# KiCad board DCTransistor.kicad_pcb (continued)
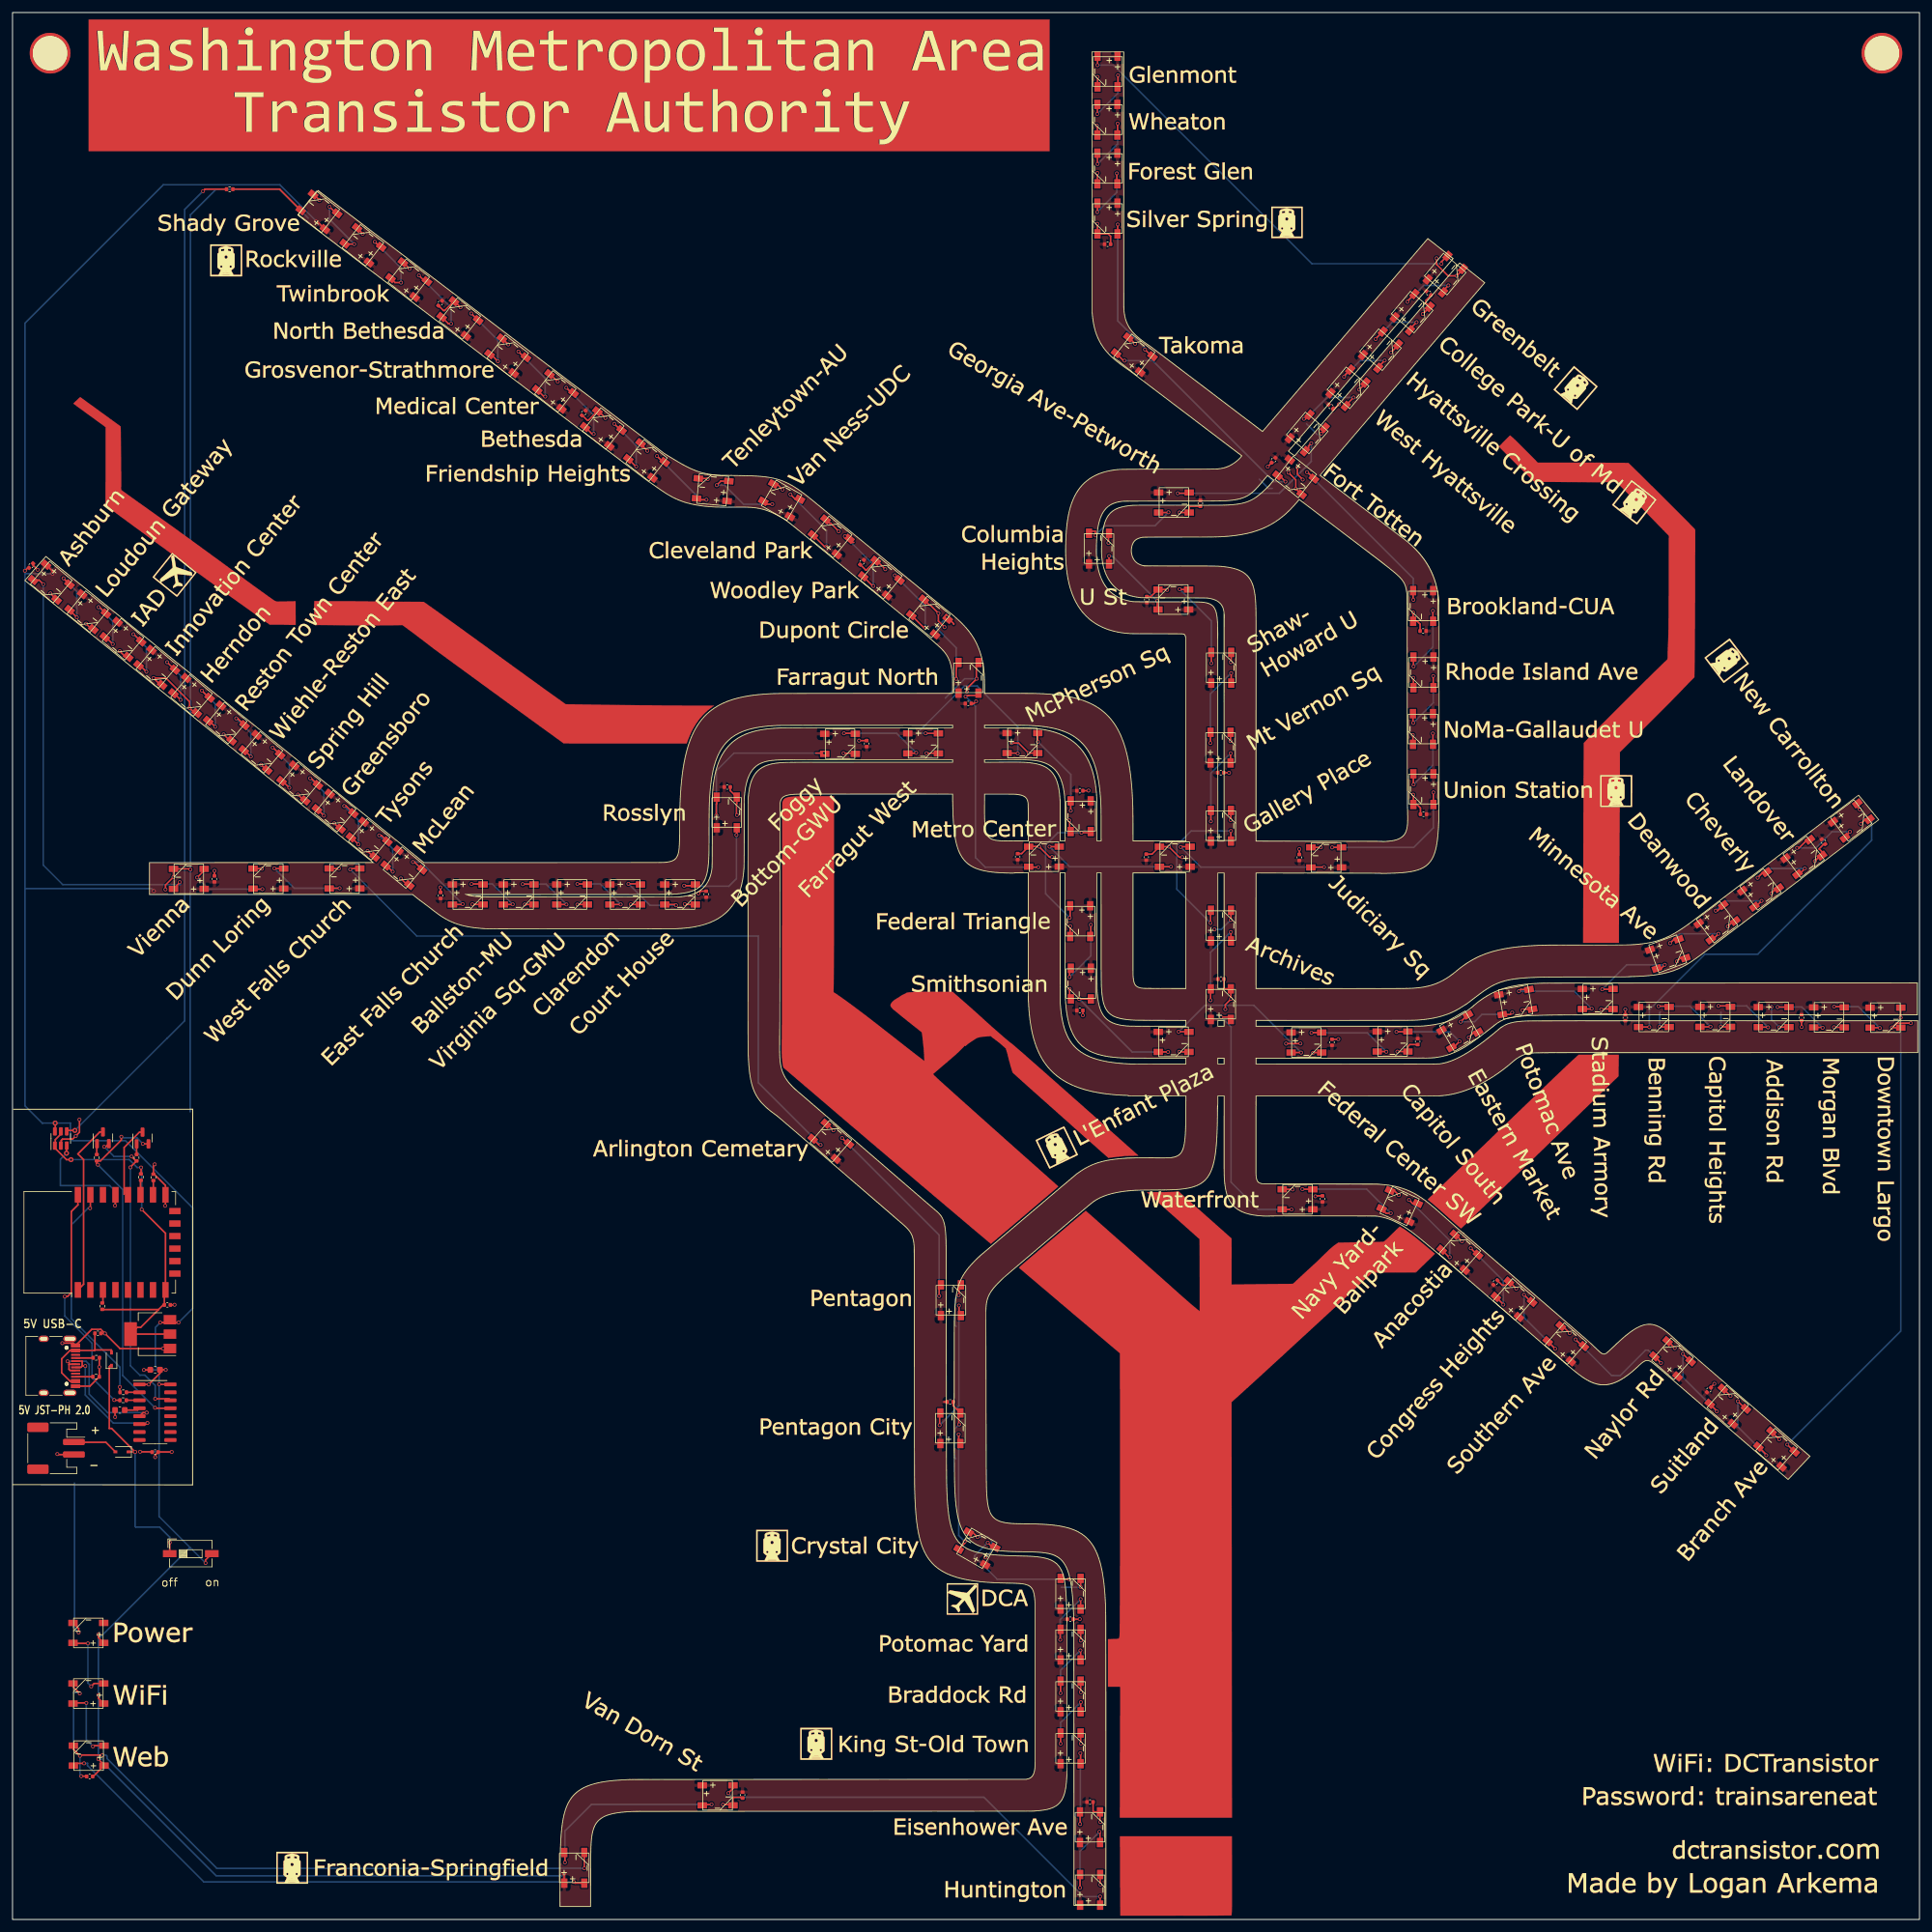
[diagram p0: board, top side]
## Routing (per net, layer and track width the routed paths; a pad name or vN(x,y) marks a point on that pad's centre or on a via; arc(x,y) is an arc through that point) (continued)
Net-(D100-Pad4): length 15
  Top w0.25: D100.4 170.64,17.18 v1(170.64,15.25) ; v1(170.68,26.57) 170.72,26.53 D99.2
  Bottom w0.25: v1(170.68,26.57) 170.68,15.29 v1(170.64,15.25)
Net-(D101-Pad2): length 69.3
  Top w0.25: D101.2 v1(173.84,3.66) ; v1(114.4,20.19) 115.15,20.94 115.15,21.56
  Bottom w0.25: v1(173.84,3.66) 171.15,3.66 155.27,19.54 115.05,19.54 v1(114.4,20.19)
Net-(D102-Pad2): length 33.4
  Top w0.25: D103.4 88.29,10.61 v1(88.29,9.12) ; v1(111.73,18.4) 111.69,18.36 110.25,18.36
  Bottom w0.25: v1(111.73,18.4) 92.55,18.4 88.29,14.14 v1(88.29,9.12)
Net-(D103-Pad2): length 90
  Top w0.25: D103.2 89.92,5.81 v1(89.73,6) ; D104.4 10.09,24.96 v1(11.43,24.96)
  Bottom w0.25: v1(11.43,24.96) 11.99,24.96 11.99,24.59 30.58,6 v1(89.73,6)
Net-(D104-Pad2): length 11.4
  Top w0.25: D104.2 12.98,27.79 v1(12.86,27.67) ; v1(11.8,34.62) 9.77,34.62 D105.4
  Bottom w0.25: v1(11.8,34.62) 11.8,28.73 v1(12.86,27.67)
Net-(D105-Pad2): length 11.7
  Top w0.25: D105.2 13.04,37.72 v1(12.58,37.26) ; v1(12.05,44.13) 9.74,44.13 D106.4
  Bottom w0.25: v1(12.05,44.13) 12.05,37.79 v1(12.58,37.26)
Net-(J0-PadA5): length 2.8
  Top w0.25: R0.2 12.85,89.75 J0.A5
Net-(J0-PadA6): length 23.9
  Top w0.25: 9.06,88.75 9.04,88.72 9.04,87.93 9.22,87.75 J0.B6 ; 9.06,88.75 9.06,88.95 v1(8.79,89.22) ; 9.06,88.75 J0.A6 ; v1(21.45,81.01) 20.85,81.01 U0.5
  Bottom w0.25: v1(8.79,89.22) 11.75,89.22 12.26,88.71 12.26,83.96 15.21,81.01 v1(21.45,81.01) 21.37,80.93
Net-(J0-PadA7): length 21.3
  Top w0.25: J0.A7 10.92,88.25 11.13,88.46 ; 11.13,88.46 11.13,89.22 11.11,89.25 J0.B7 ; 11.13,88.46 v1(11.63,88.46) ; v1(21.57,79.36) 21.39,79.18 U0.6
  Bottom w0.25: v1(11.63,88.46) 11.63,83.83 16.1,79.36 v1(21.57,79.36) 21.55,79.38
Net-(J0-PadB5): length 2.8
  Top w0.25: J0.B5 R3.2
Net-(Q0-Pad1): length 1.7
  Top w0.25: Q0.1 13.47,123.97 R4.2
Net-(Q0-Pad2): length 50.1
  Top w0.25: U0.14 24.99,83.23 v1(22.81,83.23) ; v1(19.04,121.95) 19.74,121.25 R5.1 18.84,120.26 v1(18.84,120.21) ; v1(14.66,123.51) 14.91,123.51 Q0.2
  Bottom w0.25: v1(19.04,121.95) 16.22,121.95 v1(14.66,123.51) ; v1(18.84,120.21) 18.84,88.52 20.36,87 21.16,87 22.81,85.36 v1(22.81,83.23)
Net-(Q1-Pad1): length 1.7
  Top w0.25: R5.2 Q1.1
Net-(Q1-Pad2): length 56.5
  Top w0.25: v1(22.78,81.79) 22.86,81.72 U0.13 ; v1(17.39,125.11) 17.39,124.58 14.06,121.25 R4.1 13.47,120.82 v1(13.65,120.64) ; v1(20.83,123.98) 20.84,123.97 Q1.2
  Bottom w0.25: v1(17.39,125.11) 17.39,124.93 19.88,124.93 v1(20.83,123.98) ; v1(13.65,120.64) 17.61,116.68 17.61,86.96 v1(22.78,81.79)
Net-(R1-Pad1): length 2.1
  Top w0.25: U0.2 20.28,84.26 R1.1
Net-(R2-Pad1): length 2.1
  Top w0.25: U0.3 20.28,82.99 R2.1
Net-(R6-Pad2): length 1.7
  Top w0.25: 14.31,98.5 R6.2 14.45,98.64 14.45,100.11
Net-(R7-Pad1): length 2.3
  Top w0.25: 20.46,115.92 20.46,118.18
Net-(R8-Pad2): length 163.7
  Top w0.25: 34.1,276.56 30.76,276.56 v1(30.45,276.25) ; v2(9.97,126.12) 8.86,126.12 8.74,126
  Bottom w0.25: v1(30.45,276.25) 27.52,273.32 27.52,143.65 24.75,140.88 24.73,140.88 v2(9.97,126.12)
Net-(R9-Pad1): length 2.2
  Top w0.25: 22.51,115.95 22.51,118.18

## Copper pours and planes (outline as drawn; the poured copper is in the pictures)
+5V on Top: outline of 3380 points within 2.04,2.12 304.49,298.48
GND on Bottom: 2.1,129.48 2.13,129.46 4.58,127.01 4.63,126.98 4.91,126.97 6.25,126.97 6.32,126.95 6.35,126.92 6.39,126.87 6.52,126.77 6.66,126.71 6.82,126.69 6.98,126.71 7.12,126.77 7.25,126.87 7.29,126.92 7.35,126.96 7.39,126.97 8.79,126.97 8.86,126.95 8.91,126.9 8.92,126.85 8.92,124.96 8.92,124.91 8.93,124.83 9.03,124.69 9.23,124.5 9.26,124.43 9.26,124.42 9.3,124.32 9.37,124.23 9.47,124.17 9.56,124.16 9.61,124.16 9.64,124.15 9.69,124.14 9.83,124.16 14.31,124.16 14.38,124.14 14.43,124.08 14.44,124.01 14.41,123.95 14.38,123.92 14.33,123.9 14.24,123.79 14.18,123.66 14.15,123.52 14.17,123.37 14.23,123.24 14.32,123.13 14.44,123.05 14.58,123.01 14.65,123.01 14.72,122.99 14.74,122.97 15.71,122 15.74,121.94 15.74,121.87 15.69,121.81 15.63,121.79 15.62,121.79 9.91,121.79 9.84,121.81 9.81,121.84 9.65,121.97 9.51,122.03 9.35,122.05 9.31,122.05 9.24,122.06 9.18,122.11 9.16,122.17 9.17,122.22 9.22,122.32 9.24,122.48 9.22,122.63 9.15,122.78 9.06,122.91 8.93,123 8.79,123.06 8.63,123.08 8.47,123.06 8.33,123 8.2,122.91 8.11,122.78 8.04,122.63 8.02,122.48 8.02,122.34 8,122.31 7.44,121.75 7.36,121.65 7.35,121.62 7.33,121.54 7.33,121.49 7.33,117.24 7.35,117.19 7.6,116.97 15.35,116.97 15.41,116.95 15.44,116.94 16.01,116.37 16.04,116.3 16.04,116.28 16.04,114.54 16.02,114.47 16.01,114.45 15.95,114.38 15.89,114.25 15.88,113.96 16.03,113.72 16.15,113.64 16.29,113.6 16.43,113.6 16.57,113.64 16.69,113.71 16.79,113.82 16.85,113.95 16.88,114.09 16.88,114.1 16.86,114.24 16.8,114.37 16.73,114.45 16.7,114.52 16.7,114.54 16.7,116.44 16.7,116.49 16.68,116.58 16.67,116.6 16.62,116.68 16.59,116.71 15.78,117.52 15.67,117.6 15.65,117.61 15.56,117.63 15.51,117.63 8.11,117.63 8.04,117.65 8,117.7 7.99,117.75 7.99,121.32 8.01,121.39 8.02,121.41 8.46,121.84 8.52,121.88 8.56,121.88 8.61,121.87 8.68,121.85 8.72,121.79 8.72,121.72 8.69,121.67 8.66,121.63 8.62,121.52 8.62,121.4 8.66,121.3 8.73,121.21 8.79,121.18 8.83,121.14 8.92,121.02 9.05,120.92 9.19,120.86 9.35,120.84 9.51,120.86 9.65,120.92 9.78,121.02 9.83,121.09 9.89,121.13 9.93,121.14 13.14,121.14 13.21,121.12 13.26,121.06 13.27,120.99 13.23,120.92 13.17,120.79 13.16,120.5 13.31,120.26 13.43,120.18 13.57,120.14 13.64,120.14 13.71,120.12 13.73,120.1 17.25,116.58 17.28,116.52 17.28,116.49 17.28,88.92 17.26,88.86 17.21,88.81 17.14,88.8 17.08,88.83 17.07,88.84 9.77,96.13 9.74,96.19 9.74,96.22 9.74,110.85 9.76,110.92 9.77,110.94 12.04,113.21 12.1,113.24 12.32,113.19 12.46,113.19 12.6,113.23 12.72,113.3 12.82,113.41 12.88,113.54 12.91,113.68 12.91,113.69 12.83,113.96 12.73,114.07 12.61,114.15 12.47,114.19 12.33,114.19 12.19,114.15 12.07,114.08 12.05,114.05 11.99,114.01 11.92,113.99 11.82,113.91 9.37,111.46 9.3,111.42 9.23,111.43 9.18,111.47 9.15,111.54 9.15,111.54 9.15,116.35 1.83,116.35 1.83,100.11 7.88,100.11 7.95,100.09 7.99,100.04 8,99.97 7.97,99.9 7.93,99.85 7.87,99.72 7.86,99.43 7.99,99.21 8.02,99.15 8.02,99.13 8.02,96.48 8.02,96.43 8.04,96.35 8.13,96.21 12.35,92 12.38,91.94 12.38,91.91 12.38,89.35 12.36,89.29 12.31,89.24 12.24,89.23 12.18,89.26 12,89.44 11.97,89.47 11.87,89.53 11.78,89.55 11.73,89.55 9.23,89.55 9.16,89.57 9.12,89.6 9,89.68 8.86,89.72 8.72,89.72 8.58,89.68 8.46,89.61 8.37,89.5 8.31,89.37 8.3,89.08 8.36,88.95 8.57,88.76 8.71,88.72 8.85,88.72 8.99,88.76 9.19,88.89 9.23,88.89 11.08,88.89 11.15,88.87 11.2,88.82 11.21,88.75 11.2,88.71 11.15,88.61 11.14,88.32 11.2,88.19 11.27,88.1 11.3,88.04 11.3,88.02 11.3,83.85 11.3,83.8 11.32,83.72 11.41,83.59 15.86,79.14 15.89,79.11 15.96,79.06 15.99,79.05 16.07,79.03 16.12,79.03 21.13,79.03 21.2,79.01 21.23,78.98 21.35,78.9 21.49,78.86 21.63,78.86 21.77,78.9 21.89,78.97 21.99,79.08 22.05,79.21 22.08,79.35 22.08,79.36 22.06,79.5 22,79.63 21.9,79.74 21.78,79.82 21.64,79.86 21.5,79.86 21.36,79.82 21.24,79.75 21.23,79.73 21.17,79.69 21.13,79.69 16.29,79.69 16.22,79.71 16.2,79.72 15.45,80.47 15.42,80.53 15.42,80.6 15.46,80.66 15.53,80.69 15.54,80.69 21.01,80.69 21.08,80.67 21.11,80.63 21.23,80.56 21.37,80.51 21.51,80.51 21.65,80.55 21.77,80.62 21.87,80.73 21.93,80.86 21.96,81 21.96,81.01 21.94,81.15 21.88,81.28 21.78,81.39 21.66,81.47 21.52,81.51 21.38,81.51 21.24,81.47 21.12,81.4 21.11,81.38 21.05,81.34 21.01,81.34 15.4,81.34 15.33,81.36 15.31,81.37 12.62,84.06 12.59,84.12 12.59,84.15 12.59,85.94 12.61,86.01 12.66,86.05 12.73,86.06 12.79,86.04 12.8,86.03 15.72,83.11 15.75,83.05 15.77,82.89 15.83,82.76 15.92,82.65 16.04,82.57 16.18,82.53 16.32,82.53 16.46,82.57 16.58,82.64 16.68,82.75 16.74,82.88 16.77,83.02 16.77,83.03 16.69,83.3 16.59,83.41 16.47,83.49 16.33,83.53 16.27,83.53 16.2,83.55 16.18,83.57 13.07,86.68 13.04,86.74 13.04,86.77 13.04,91.64 13.06,91.71 13.11,91.76 13.18,91.77 13.24,91.74 13.25,91.73 16.8,88.19 16.83,88.12 16.83,88.1 16.83,85.55 16.81,85.48 16.74,85.39 16.68,85.26 16.67,84.97 16.73,84.84 16.82,84.73 16.94,84.65 17.08,84.61 17.22,84.61 17.36,84.65 17.48,84.72 17.58,84.83 17.64,84.96 17.67,85.1 17.67,85.11 17.59,85.38 17.52,85.46 17.49,85.53 17.49,85.55 17.49,86.32 17.51,86.39 17.56,86.43 17.63,86.44 17.69,86.42 17.7,86.41 22.24,81.87 22.27,81.81 22.29,81.65 22.35,81.52 22.44,81.41 22.56,81.33 22.7,81.29 22.84,81.29 22.95,81.32 23.02,81.31 23.08,81.28 23.1,81.21 23.1,81.19 23.1,75.21 23.08,75.14 23.03,75.1 22.98,75.09 21.31,75.09 21.23,75.09 20.83,75.09 20.76,75.11 20.72,75.14 20.6,75.22 20.46,75.26 20.32,75.26 20.18,75.22 20.06,75.14 19.99,75.11 19.92,75.12 19.91,75.13 19.8,75.2 19.66,75.24 19.52,75.24 19.38,75.2 19.26,75.13 19.17,75.02 19.11,74.89 19.1,74.6 19.16,74.47 19.23,74.38 19.26,74.32 19.26,74.3 19.26,69.64 19.24,69.57 19.19,69.52 19.14,69.51 1.64,69.49 1.57,69.51 1.52,69.57 1.51,69.62 1.5,83.91 3.72,83.91 3.75,83.81 3.75,83.8 3.84,83.63 3.85,83.62 3.96,83.48 3.97,83.47 4.11,83.35 4.12,83.34 4.29,83.25 4.3,83.25 4.47,83.19 4.49,83.19 4.72,83.17 4.74,83.19 5.24,83.19 5.26,83.17 5.48,83.19 5.49,83.19 5.67,83.24 5.68,83.25 5.85,83.33 5.86,83.34 6,83.46 6.01,83.47 6.13,83.61 6.13,83.62 6.22,83.78 6.23,83.79 6.26,83.91 6.26,83.91 7.65,83.91 7.68,83.81 7.68,83.8 7.77,83.63 7.78,83.62 7.89,83.48 7.9,83.47 8.04,83.35 8.05,83.34 8.22,83.25 8.23,83.25 8.4,83.19 8.42,83.19 8.57,83.17 8.9,83.17 8.92,83.19 9.42,83.19 9.44,83.17 9.91,83.19 9.92,83.19 10.1,83.24 10.11,83.25 10.28,83.33 10.29,83.34 10.43,83.46 10.44,83.47 10.56,83.61 10.56,83.62 10.65,83.78 10.66,83.79 10.69,83.91 10.68,83.93 9.44,83.93 9.42,83.91 9.42,83.19 8.92,83.19 8.92,83.91 8.9,83.93 7.66,83.93 7.65,83.92 7.65,83.91 6.26,83.91 6.25,83.93 5.26,83.93 5.24,83.91 5.24,83.19 4.74,83.19 4.74,83.91 4.72,83.93 3.73,83.93 3.72,83.92 3.72,83.91 1.5,83.91 1.5,84.44 3.72,84.44 3.73,84.43 4.72,84.43 4.74,84.45 5.24,84.45 5.26,84.43 6.25,84.43 6.26,84.44 7.65,84.44 7.66,84.43 10.68,84.43 10.69,84.44 10.69,84.45 10.66,84.55 10.66,84.56 10.57,84.73 10.56,84.74 10.45,84.88 10.44,84.89 10.3,85.01 10.29,85.02 10.12,85.11 10.11,85.11 9.94,85.17 9.92,85.17 9.77,85.19 9.28,85.19 9.21,85.21 9.16,85.26 9.15,85.33 9.16,85.36 9.2,85.46 9.22,85.61 9.2,85.76 9.14,85.9 9.05,86.02 8.93,86.11 8.79,86.17 8.68,86.19 8.6,86.19 8.49,86.17 8.35,86.11 8.23,86.02 8.14,85.9 8.08,85.76 8.06,85.61 8.08,85.46 8.14,85.32 8.19,85.26 8.21,85.19 8.2,85.12 8.14,85.07 8.06,85.03 8.05,85.02 7.91,84.9 7.9,84.89 7.78,84.75 7.78,84.74 7.69,84.58 7.68,84.57 7.65,84.45 7.65,84.44 6.26,84.44 6.26,84.45 6.23,84.55 6.23,84.56 6.14,84.73 6.13,84.74 6.02,84.88 6.01,84.89 5.87,85.01 5.86,85.02 5.69,85.11 5.68,85.11 5.51,85.17 5.49,85.17 5.26,85.19 5.24,85.17 5.24,84.45 4.74,84.45 4.74,85.17 4.72,85.19 4.5,85.17 4.49,85.17 4.31,85.12 4.3,85.11 4.13,85.03 4.12,85.02 3.98,84.9 3.97,84.89 3.85,84.75 3.85,84.74 3.76,84.58 3.75,84.57 3.72,84.45 3.72,84.44 1.5,84.44 1.49,92.55 3.72,92.55 3.75,92.45 3.75,92.44 3.84,92.27 3.85,92.26 3.96,92.12 3.97,92.11 4.11,91.99 4.12,91.98 4.29,91.89 4.3,91.89 4.47,91.83 4.49,91.83 4.72,91.81 4.74,91.83 5.24,91.83 5.26,91.81 5.48,91.83 5.49,91.83 5.67,91.88 5.68,91.89 5.85,91.97 5.86,91.98 6,92.1 6.01,92.11 6.13,92.25 6.13,92.26 6.22,92.42 6.23,92.43 6.26,92.55 6.26,92.55 7.65,92.55 7.68,92.45 7.68,92.44 7.77,92.27 7.78,92.26 7.89,92.12 7.9,92.11 8.04,91.99 8.05,91.98 8.15,91.93 8.2,91.88 8.21,91.81 8.19,91.74 8.14,91.68 8.08,91.54 8.06,91.39 8.08,91.24 8.14,91.1 8.23,90.98 8.35,90.89 8.49,90.83 8.6,90.81 8.68,90.81 8.79,90.83 8.93,90.89 9.05,90.98 9.14,91.1 9.2,91.24 9.22,91.39 9.2,91.54 9.16,91.64 9.15,91.71 9.18,91.77 9.25,91.81 9.28,91.81 9.77,91.81 9.91,91.83 9.92,91.83 10.1,91.88 10.11,91.89 10.28,91.97 10.29,91.98 10.43,92.1 10.44,92.11 10.56,92.25 10.56,92.26 10.65,92.42 10.66,92.43 10.69,92.55 10.68,92.57 7.66,92.57 7.65,92.56 7.65,92.55 6.26,92.55 6.25,92.57 5.26,92.57 5.24,92.55 5.24,91.83 4.74,91.83 4.74,92.55 4.72,92.57 3.73,92.57 3.72,92.56 3.72,92.55 1.49,92.55 1.49,93.08 3.72,93.08 3.73,93.07 4.72,93.07 4.74,93.09 5.24,93.09 5.26,93.07 6.25,93.07 6.26,93.08 7.65,93.08 7.66,93.07 8.9,93.07 8.92,93.09 9.42,93.09 9.44,93.07 10.68,93.07 10.69,93.08 10.69,93.09 10.66,93.19 10.66,93.2 10.57,93.37 10.56,93.38 10.45,93.52 10.44,93.53 10.3,93.65 10.29,93.66 10.12,93.75 10.11,93.75 9.94,93.81 9.92,93.81 9.77,93.83 9.44,93.83 9.42,93.81 9.42,93.09 8.92,93.09 8.92,93.81 8.9,93.83 8.43,93.81 8.42,93.81 8.24,93.76 8.23,93.75 8.06,93.67 8.05,93.66 7.91,93.54 7.9,93.53 7.78,93.39 7.78,93.38 7.69,93.22 7.68,93.21 7.65,93.09 7.65,93.08 6.26,93.08 6.26,93.09 6.23,93.19 6.23,93.2 6.14,93.37 6.13,93.38 6.02,93.52 6.01,93.53 5.87,93.65 5.86,93.66 5.69,93.75 5.68,93.75 5.51,93.81 5.49,93.81 5.26,93.83 5.24,93.81 5.24,93.09 4.74,93.09 4.74,93.81 4.72,93.83 4.5,93.81 4.49,93.81 4.31,93.76 4.3,93.75 4.13,93.67 4.12,93.66 3.98,93.54 3.97,93.53 3.85,93.39 3.85,93.38 3.76,93.22 3.75,93.21 3.72,93.09 3.72,93.08 1.49,93.08 1.45,129.37 1.47,129.44 1.52,129.49 1.58,129.5 2.04,129.5
GND on Bottom: 28.75,129.53 28.75,69.52 1.51,69.49 1.45,129.5
GND on Bottom: outline of 3382 points within 2.01,2.12 304.46,298.47

## Text on the board
B.Silkscreen: JLCJLCJLCJLC
F.Silkscreen: 5V JST-PH 2.0 | 5V USB-C | - | +
